# KiCad board simplyKeeb-S60c.kicad_pcb
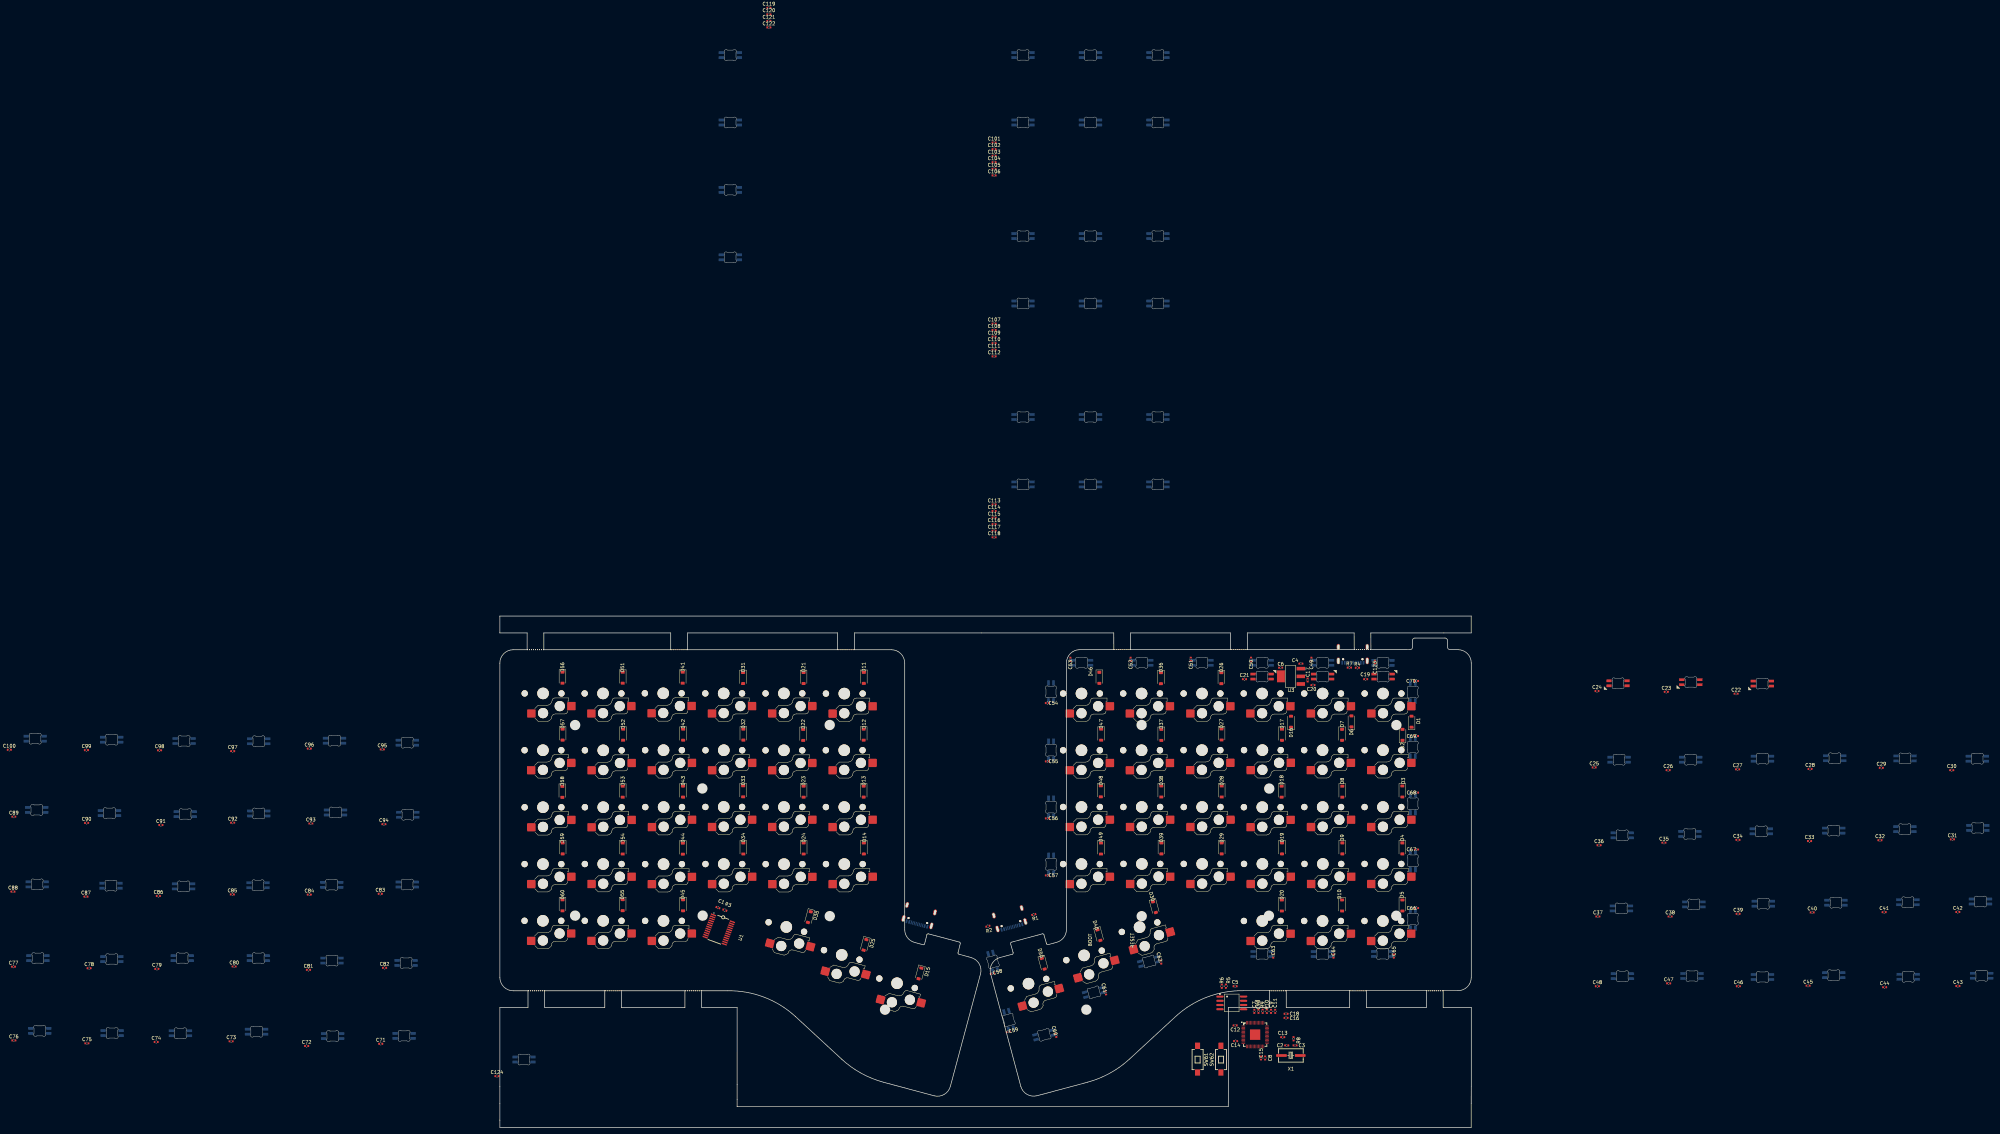
[diagram p0: board, top side]
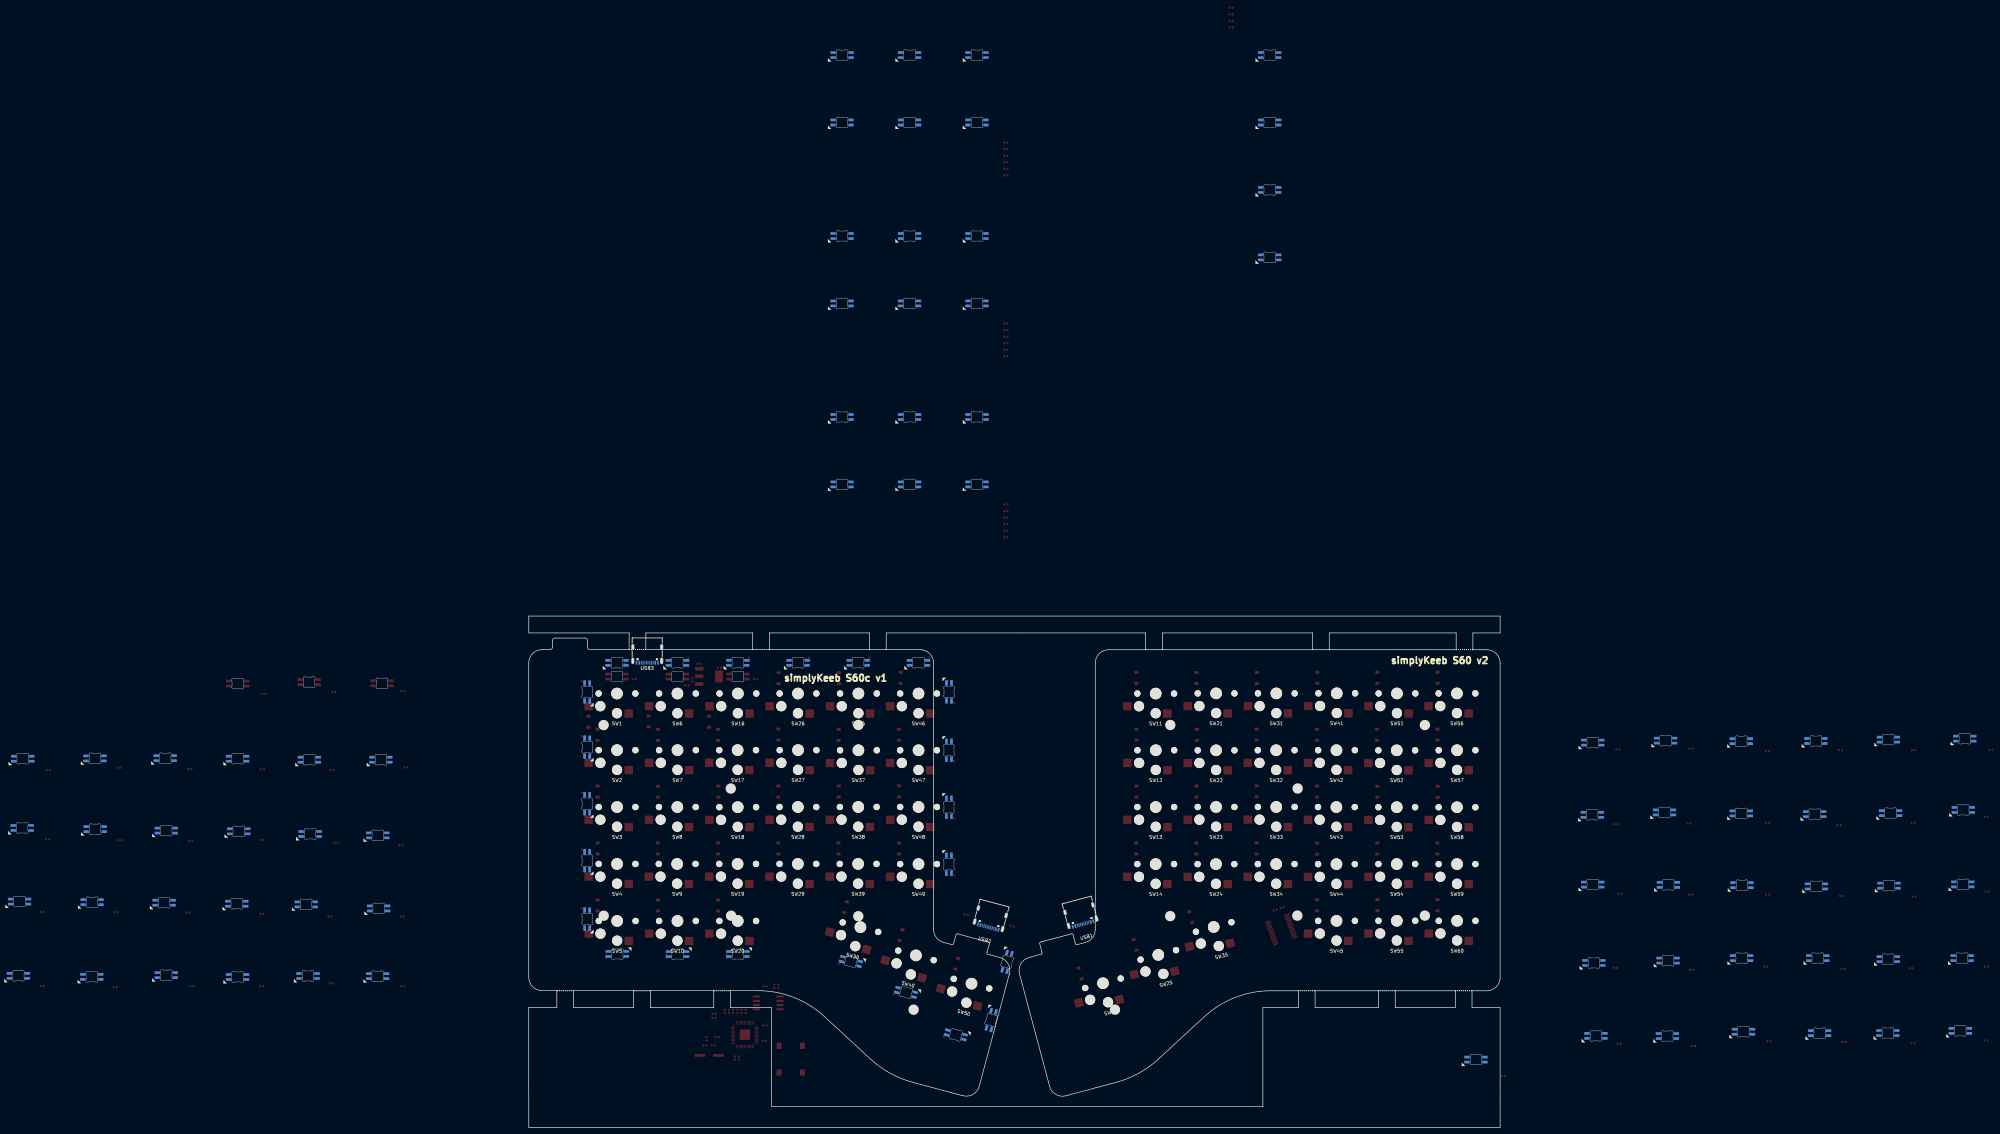
[diagram p1: board, bottom side, seen from below]

Outline 586.5 x 322.85 mm; copper layers: Top, Bottom. Coordinates in mm from the lower left corner of the outline.
Outline path: circle c163.47,120.53 r1.5 ; circle c163.47,63.43 r1.5 ; circle c201.57,101.53 r1.5 ; circle c201.67,63.43 r1.5 ; circle c239.72,120.55 r1.5 ; circle c239.75,63.28 r1.5 ; circle c256.3,35.25 r1.5 ; circle c316.6,35.25 r1.5 ; circle c333.15,120.55 r1.5 ; circle c333.17,63.25 r1.5 ; circle c371.27,63.4 r1.5 ; circle c371.37,101.5 r1.5 ; circle c409.42,63.4 r1.5 ; circle c409.45,120.53 r1.5 ; 140.93,153.2 431.86,153.2 431.86,148.14 401.8,148.14 401.82,143.13 413.55,143.13 arc(414.08,143.35) 414.3,143.88 414.26,145.86 arc(414.48,146.39) 415.01,146.61 424.01,146.61 arc(424.54,146.39) 424.76,145.86 424.76,143.86 arc(425.01,143.34) 425.54,143.13 427.89,143.13 arc(430.72,141.96) 431.89,139.13 431.89,44.94 arc(430.71,42.11) 427.88,40.94 423.47,40.94 423.47,35.9 431.89,35.9 431.89,12.26 431.86,7.18 431.86,0 140.93,0 140.93,35.87 149.35,35.87 149.35,40.91 144.94,40.91 arc(142.1,42.08) 140.93,44.91 140.93,139.1 arc(142.1,141.93) 144.93,143.1 149.1,143.1 149.1,148.14 140.93,148.14 140.93,153.2 ; 154.1,148.14 192.1,148.14 192.1,143.1 154.1,143.1 154.1,148.14 ; 154.35,40.91 172.35,40.91 172.35,35.87 154.35,35.87 154.35,40.91 ; 177.35,40.91 196.35,40.91 196.35,35.87 177.35,35.87 177.35,40.91 ; 197.1,148.14 242.1,148.14 242.1,143.1 197.1,143.1 197.1,148.14 ; 201.35,40.91 209.09,40.91 arc(220.05,39.01) 229.52,33.15 243.31,20.42 arc(249.18,16.19) 255.89,13.49 270.97,9.45 arc(274,9.85) 275.86,12.28 284.89,45.97 arc(284.49,49) 282.06,50.87 278.41,51.88 arc(278.19,52.04) 278.15,52.31 278.83,55.05 arc(278.8,55.34) 278.57,55.51 269.28,57.97 arc(269,57.94) 268.83,57.71 268.15,54.98 arc(267.98,54.75) 267.69,54.72 265.15,55.4 arc(263.01,56.83) 262.19,59.26 262.19,139.1 arc(261.02,141.93) 258.19,143.1 247.1,143.1 247.1,148.14 324.8,148.14 324.82,143.13 314.63,143.13 arc(311.8,141.95) 310.63,139.13 310.62,64.48 310.63,59.98 310.63,59.29 arc(309.8,56.85) 307.66,55.42 305.12,54.74 arc(304.84,54.78) 304.67,55 303.88,57.72 arc(303.71,57.95) 303.43,57.98 294.15,55.47 arc(293.93,55.3) 293.89,55.02 294.67,52.31 arc(294.63,52.03) 294.41,51.86 290.75,50.89 arc(288.32,49.03) 287.92,45.99 296.95,12.3 arc(298.81,9.88) 301.85,9.48 316.92,13.51 arc(323.63,16.22) 329.5,20.44 343.3,33.17 arc(352.76,39.03) 363.73,40.94 371.47,40.94 371.47,35.9 359.12,35.9 359.12,12.82 359.12,8.32 359.1,6.18 211.99,6.18 211.99,12.8 212,35.87 201.35,35.87 201.35,40.91 ; 329.82,143.13 329.8,148.14 359.8,148.14 359.82,143.13 329.82,143.13 ; 364.82,143.13 364.8,148.14 396.8,148.14 396.82,143.13 364.82,143.13 ; 376.47,40.94 376.47,35.9 395.47,35.9 395.47,40.94 376.47,40.94 ; 400.47,40.94 400.47,35.9 418.47,35.9 418.47,40.94 400.47,40.94
Stack: Top 0.035mm / dielectric 1.51mm FR4 er 4.5 / Bottom 0.035mm

## Placement (name value [footprint] x y rotation side)
C1  100nF  [C_0402_1005Metric]  206.25 65.83 160 top
C2  30pF  [C_0402_1005Metric]  376.6 24.53 180 top
C3  30pF  [C_0402_1005Metric]  379.1 24.53 0 top
C4  10uF  [C_0402_1005Metric]  380.85 138.93 0 top
C5  100nF  [C_0402_1005Metric]  361.15 42.28 180 top
C6  10uF  [C_0402_1005Metric]  374.8 137.73 180 top
C7  100nF  [C_0402_1005Metric]  366.9 34.76 90 top
C8  100nF  [C_0402_1005Metric]  370.15 20.78 270 top
C9  1uF  [C_0402_1005Metric]  371.9 34.76 90 top
C10  100nF  [C_0402_1005Metric]  368.15 34.76 90 top
C11  1uF  [C_0402_1005Metric]  373.15 34.74 90 top
C12  100nF  [C_0402_1005Metric]  361.17 30.53 180 top
C13  100nF  [C_0402_1005Metric]  375.42 27.03 0 top
C14  100nF  [C_0402_1005Metric]  361.3 25.83 180 top
C15  100nF  [C_0402_1005Metric]  368.9 20.78 270 top
C16  100nF  [C_0402_1005Metric]  376.4 32.78 0 top
C17  10uF  [C_0402_1005Metric]  382.85 134.03 270 top
C18  100nF  [C_0402_1005Metric]  376.4 34.03 0 top
C19  C  [C_0402_1005Metric]  400.25 134.28 180 top
C20  C  [C_0402_1005Metric]  384.47 132.48 180 top
C21  C  [C_0402_1005Metric]  363.95 134.28 180 top
C22  C  [C_0402_1005Metric]  511.2 129.93 0 top
C23  C  [C_0402_1005Metric]  490.3 130.48 0 top
C24  C  [C_0402_1005Metric]  469.55 130.73 0 top
C25  C  [C_0402_1005Metric]  468.7 107.83 0 top
C26  C  [C_0402_1005Metric]  490.85 107.03 0 top
C27  C  [C_0402_1005Metric]  511.65 107.28 0 top
C28  C  [C_0402_1005Metric]  533.35 107.38 0 top
C29  C  [C_0402_1005Metric]  554.7 107.73 0 top
C30  C  [C_0402_1005Metric]  575.8 107.03 0 top
C31  C  [C_0402_1005Metric]  576 86.28 0 top
C32  C  [C_0402_1005Metric]  554.3 86.03 0 top
C33  C  [C_0402_1005Metric]  533.2 85.78 0 top
C34  C  [C_0402_1005Metric]  511.75 86.13 0 top
C35  C  [C_0402_1005Metric]  489.6 85.28 0 top
C36  C  [C_0402_1005Metric]  470.15 84.53 0 top
C37  C  [C_0402_1005Metric]  469.8 63.18 0 top
C38  C  [C_0402_1005Metric]  491.45 63.18 0 top
C39  C  [C_0402_1005Metric]  511.8 63.98 0 top
C40  C  [C_0402_1005Metric]  534 64.38 0 top
C41  C  [C_0402_1005Metric]  555.55 64.48 0 top
C42  C  [C_0402_1005Metric]  577.6 64.53 0 top
C43  C  [C_0402_1005Metric]  577.65 42.33 0 top
C44  C  [C_0402_1005Metric]  555.7 41.98 0 top
C45  C  [C_0402_1005Metric]  532.75 42.43 0 top
C46  C  [C_0402_1005Metric]  511.9 42.28 0 top
C47  C  [C_0402_1005Metric]  491 43.13 0 top
C48  C  [C_0402_1005Metric]  469.65 42.28 0 top
C49  C  [C_0402_1005Metric]  384 140.27 90 top
C50  C  [C_0402_1005Metric]  365.92 140.27 90 top
C51  C  [C_0402_1005Metric]  347.86 140.27 270 top
C52  C  [C_0402_1005Metric]  329.86 140.27 90 top
C53  C  [C_0402_1005Metric]  311.82 140.27 90 top
C54  C  [C_0402_1005Metric]  304.91 127.14 180 top
C55  C  [C_0402_1005Metric]  304.92 109.65 180 top
C56  C  [C_0402_1005Metric]  304.93 92.58 180 top
C57  C  [C_0402_1005Metric]  304.93 75.48 0 top
C58  C  [C_0402_1005Metric]  288.42 46.09 195 top
C59  C  [C_0402_1005Metric]  293.17 28.65 195 top
C60  C  [C_0402_1005Metric]  307.49 27.53 285 top
C61  C  [C_0402_1005Metric]  322.38 40.27 285 top
C62  C  [C_0402_1005Metric]  338.9 49.5 285 top
C63  C  [C_0402_1005Metric]  372.58 51.31 90 top
C64  C  [C_0402_1005Metric]  390.64 51.31 270 top
C65  C  [C_0402_1005Metric]  408.7 51.31 270 top
C66  C  [C_0402_1005Metric]  415.49 65.71 0 top
C67  C  [C_0402_1005Metric]  415.49 83.24 0 top
C68  C  [C_0402_1005Metric]  415.49 100.3 0 top
C69  C  [C_0402_1005Metric]  415.47 117.25 0 top
C70  C  [C_0402_1005Metric]  415.47 133.75 0 top
C71  C  [C_0402_1005Metric]  105.25 25.03 0 top
C72  C  [C_0402_1005Metric]  83.05 24.38 0 top
C73  C  [C_0402_1005Metric]  60.45 25.78 0 top
C74  C  [C_0402_1005Metric]  38 25.58 0 top
C75  C  [C_0402_1005Metric]  17.25 25.18 0 top
C76  C  [C_0402_1005Metric]  -4.65 26.03 0 top
C77  C  [C_0402_1005Metric]  -4.75 48.13 0 top
C78  C  [C_0402_1005Metric]  17.9 47.68 0 top
C79  C  [C_0402_1005Metric]  38.2 47.48 0 top
C80  C  [C_0402_1005Metric]  61.35 48.18 0 top
C81  C  [C_0402_1005Metric]  83.6 47.18 0 top
C82  C  [C_0402_1005Metric]  106.4 47.78 0 top
C83  C  [C_0402_1005Metric]  105.1 69.98 0 top
C84  C  [C_0402_1005Metric]  83.85 69.73 0 top
C85  C  [C_0402_1005Metric]  60.8 69.78 0 top
C86  C  [C_0402_1005Metric]  38.65 69.33 0 top
C87  C  [C_0402_1005Metric]  16.95 69.13 0 top
C88  C  [C_0402_1005Metric]  -4.9 70.63 0 top
C89  C  [C_0402_1005Metric]  -4.65 93.08 0 top
C90  C  [C_0402_1005Metric]  17.15 91.23 0 top
C91  C  [C_0402_1005Metric]  39.4 90.58 0 top
C92  C  [C_0402_1005Metric]  60.9 91.28 0 top
C93  C  [C_0402_1005Metric]  84.3 91.03 0 top
C94  C  [C_0402_1005Metric]  106.2 90.83 0 top
C95  C  [C_0402_1005Metric]  105.7 113.23 0 top
C96  C  [C_0402_1005Metric]  83.85 113.48 0 top
C97  C  [C_0402_1005Metric]  60.9 112.73 0 top
C98  C  [C_0402_1005Metric]  39 112.98 0 top
C99  C  [C_0402_1005Metric]  17.1 113.03 0 top
C100  C  [C_0402_1005Metric]  -6 113.13 0 top
C101  C  [C_0402_1005Metric]  288.96 295.08 0 top
C102  C  [C_0402_1005Metric]  288.96 293.11 0 top
C103  C  [C_0402_1005Metric]  288.96 291.14 0 top
C104  C  [C_0402_1005Metric]  288.96 289.17 0 top
C105  C  [C_0402_1005Metric]  288.96 287.2 0 top
C106  C  [C_0402_1005Metric]  288.96 285.23 0 top
C107  C  [C_0402_1005Metric]  288.96 240.86 0 top
C108  C  [C_0402_1005Metric]  288.96 238.89 0 top
C109  C  [C_0402_1005Metric]  288.96 236.92 0 top
C110  C  [C_0402_1005Metric]  288.96 234.95 0 top
C111  C  [C_0402_1005Metric]  288.96 232.98 0 top
C112  C  [C_0402_1005Metric]  288.96 231.01 0 top
C113  C  [C_0402_1005Metric]  288.96 186.64 0 top
C114  C  [C_0402_1005Metric]  288.96 184.67 0 top
C115  C  [C_0402_1005Metric]  288.96 182.7 0 top
C116  C  [C_0402_1005Metric]  288.96 180.73 0 top
C117  C  [C_0402_1005Metric]  288.96 178.76 0 top
C118  C  [C_0402_1005Metric]  288.96 176.79 0 top
C119  C  [C_0402_1005Metric]  221.49 335.48 0 top
C120  C  [C_0402_1005Metric]  221.49 333.51 0 top
C121  C  [C_0402_1005Metric]  221.49 331.54 0 top
C122  C  [C_0402_1005Metric]  221.49 329.57 0 top
C123  C  [C_0402_1005Metric]  403 139.41 270 top
C124  C  [C_0402_1005Metric]  140.05 15.35 0 top
D1  1N4148W  [D_SOD-123]  414 121.53 90 top
D2  1N4148W  [D_SOD-123]  411.29 117.62 90 top
D3  1N4148W  [D_SOD-123]  411.24 100.62 270 top
D4  1N4148W  [D_SOD-123]  411.24 83.57 270 top
D5  1N4148W  [D_SOD-123]  411.25 66.48 270 top
D6  1N4148W  [D_SOD-123]  396 121.63 90 top
D7  1N4148W  [D_SOD-123]  393.19 117.62 270 top
D8  1N4148W  [D_SOD-123]  393.24 100.57 270 top
D9  1N4148W  [D_SOD-123]  393.24 83.57 270 top
D10  1N4148W  [D_SOD-123]  393.19 66.48 270 top
D11  1N4148W  [D_SOD-123]  249.93 134.68 270 top
D12  1N4148W  [D_SOD-123]  249.9 117.66 270 top
D13  1N4148W  [D_SOD-123]  249.9 100.59 270 top
D14  1N4148W  [D_SOD-123]  249.94 83.57 270 top
D15  1N4148W  [D_SOD-123]  266.75 46.12 255 top
D16  1N4148W  [D_SOD-123]  377.9 121.53 90 top
D17  1N4148W  [D_SOD-123]  375.18 117.62 270 top
D18  1N4148W  [D_SOD-123]  375.09 100.58 270 top
D19  1N4148W  [D_SOD-123]  375.18 83.57 270 top
D20  1N4148W  [D_SOD-123]  375.14 66.48 270 top
D21  1N4148W  [D_SOD-123]  231.89 134.63 270 top
D22  1N4148W  [D_SOD-123]  231.79 117.58 270 top
D23  1N4148W  [D_SOD-123]  231.89 100.58 270 top
D24  1N4148W  [D_SOD-123]  231.92 83.54 270 top
D25  1N4148W  [D_SOD-123]  250.29 54.67 255 top
D26  1N4148W  [D_SOD-123]  357.04 134.58 270 top
D27  1N4148W  [D_SOD-123]  357.08 117.72 270 top
D28  1N4148W  [D_SOD-123]  357.13 100.62 270 top
D29  1N4148W  [D_SOD-123]  357.13 83.57 270 top
D30  1N4148W  [D_SOD-123]  336.99 65.97 285 top
D31  1N4148W  [D_SOD-123]  213.78 134.63 270 top
D32  1N4148W  [D_SOD-123]  213.86 117.67 270 top
D33  1N4148W  [D_SOD-123]  213.81 100.68 270 top
D34  1N4148W  [D_SOD-123]  213.86 83.57 270 top
D35  1N4148W  [D_SOD-123]  233.64 62.99 255 top
D36  1N4148W  [D_SOD-123]  338.94 134.58 270 top
D37  1N4148W  [D_SOD-123]  339.04 117.58 270 top
D38  1N4148W  [D_SOD-123]  339.04 100.63 270 top
D39  1N4148W  [D_SOD-123]  339.08 83.57 270 top
D40  1N4148W  [D_SOD-123]  320.35 57.59 285 top
D41  1N4148W  [D_SOD-123]  195.7 134.71 270 top
D42  1N4148W  [D_SOD-123]  195.82 117.63 270 top
D43  1N4148W  [D_SOD-123]  195.79 100.59 270 top
D44  1N4148W  [D_SOD-123]  195.74 83.49 270 top
D45  1N4148W  [D_SOD-123]  195.8 66.54 270 top
D46  1N4148W  [D_SOD-123]  320.49 134.68 270 top
D47  1N4148W  [D_SOD-123]  321.04 117.63 270 top
D48  1N4148W  [D_SOD-123]  320.94 100.68 270 top
D49  1N4148W  [D_SOD-123]  320.99 83.53 270 top
D50  1N4148W  [D_SOD-123]  303.68 49.02 285 top
D51  1N4148W  [D_SOD-123]  177.73 134.72 270 top
D52  1N4148W  [D_SOD-123]  177.83 117.64 270 top
D53  1N4148W  [D_SOD-123]  177.73 100.55 270 top
D54  1N4148W  [D_SOD-123]  177.73 83.55 270 top
D55  1N4148W  [D_SOD-123]  177.7 66.58 270 top
D56  1N4148W  [D_SOD-123]  159.68 134.72 270 top
D57  1N4148W  [D_SOD-123]  159.71 117.67 270 top
D58  1N4148W  [D_SOD-123]  159.64 100.53 270 top
D59  1N4148W  [D_SOD-123]  159.73 83.58 270 top
D60  1N4148W  [D_SOD-123]  159.69 66.53 270 top
D61  SK6812MINI-E  [Choc_SK6812MINI-E]  405.47 129.98 0 bottom
D62  SK6812MINI-E  [Choc_SK6812MINI-E]  387.35 129.98 0 bottom
D63  SK6812MINI-E  [Choc_SK6812MINI-E]  369.24 129.98 0 bottom
D64  SK6812MINI-E  [Choc_SK6812MINI-E]  519.05 138.03 180 bottom
D65  SK6812MINI-E  [Choc_SK6812MINI-E]  497.65 138.48 180 bottom
D66  SK6812MINI-E  [Choc_SK6812MINI-E]  475.85 138.13 180 bottom
D67  SK6812MINI-E  [Choc_SK6812MINI-E]  476.15 115.23 0 top
D68  SK6812MINI-E  [Choc_SK6812MINI-E]  497.6 115.23 0 top
D69  SK6812MINI-E  [Choc_SK6812MINI-E]  519.1 115.53 0 top
D70  SK6812MINI-E  [Choc_SK6812MINI-E]  540.75 115.68 0 top
D71  SK6812MINI-E  [Choc_SK6812MINI-E]  561.8 115.63 0 top
D72  SK6812MINI-E  [Choc_SK6812MINI-E]  583.45 115.53 0 top
D73  SK6812MINI-E  [Choc_SK6812MINI-E]  583.6 94.78 0 top
D74  SK6812MINI-E  [Choc_SK6812MINI-E]  561.75 94.43 0 top
D75  SK6812MINI-E  [Choc_SK6812MINI-E]  540.45 93.98 0 top
D76  SK6812MINI-E  [Choc_SK6812MINI-E]  518.75 93.78 0 top
D77  SK6812MINI-E  [Choc_SK6812MINI-E]  497.35 92.98 0 top
D78  SK6812MINI-E  [Choc_SK6812MINI-E]  477.1 92.58 0 top
D79  SK6812MINI-E  [Choc_SK6812MINI-E]  476.85 70.68 0 top
D80  SK6812MINI-E  [Choc_SK6812MINI-E]  498.55 71.88 0 top
D81  SK6812MINI-E  [Choc_SK6812MINI-E]  519.35 72.08 0 top
D82  SK6812MINI-E  [Choc_SK6812MINI-E]  541.1 72.38 0 top
D83  SK6812MINI-E  [Choc_SK6812MINI-E]  562.65 72.53 0 top
D84  SK6812MINI-E  [Choc_SK6812MINI-E]  584.4 72.73 0 top
D85  SK6812MINI-E  [Choc_SK6812MINI-E]  584.75 50.48 0 top
D86  SK6812MINI-E  [Choc_SK6812MINI-E]  562.75 50.18 0 top
D87  SK6812MINI-E  [Choc_SK6812MINI-E]  540.45 50.68 0 top
D88  SK6812MINI-E  [Choc_SK6812MINI-E]  519.1 50.13 0 top
D89  SK6812MINI-E  [Choc_SK6812MINI-E]  498 50.43 0 top
D90  SK6812MINI-E  [Choc_SK6812MINI-E]  477.15 50.38 0 top
D91  SK6812MINI-E  [Choc_SK6812MINI-E]  387.35 144.26 0 top
D92  SK6812MINI-E  [Choc_SK6812MINI-E]  369.26 144.26 0 top
D93  SK6812MINI-E  [Choc_SK6812MINI-E]  351.2 144.26 0 top
D94  SK6812MINI-E  [Choc_SK6812MINI-E]  333.2 144.26 0 top
D95  SK6812MINI-E  [Choc_SK6812MINI-E]  315.15 144.26 0 top
D96  SK6812MINI-E  [Choc_SK6812MINI-E]  300.92 130.48 90 top
D97  SK6812MINI-E  [Choc_SK6812MINI-E]  300.93 112.99 90 top
D98  SK6812MINI-E  [Choc_SK6812MINI-E]  300.94 95.92 90 top
D99  SK6812MINI-E  [Choc_SK6812MINI-E]  300.94 78.82 90 top
D100  SK6812MINI-E  [Choc_SK6812MINI-E]  283.7 48.28 105 top
D101  SK6812MINI-E  [Choc_SK6812MINI-E]  288.46 30.85 105 top
D102  SK6812MINI-E  [Choc_SK6812MINI-E]  305.29 22.82 195 top
D103  SK6812MINI-E  [Choc_SK6812MINI-E]  320.19 35.53 195 top
D104  SK6812MINI-E  [Choc_SK6812MINI-E]  336.7 44.78 195 top
D105  SK6812MINI-E  [Choc_SK6812MINI-E]  369.24 46.85 180 top
D106  SK6812MINI-E  [Choc_SK6812MINI-E]  387.31 46.84 180 top
D107  SK6812MINI-E  [Choc_SK6812MINI-E]  405.36 46.87 180 top
D108  SK6812MINI-E  [Choc_SK6812MINI-E]  419.48 62.37 270 top
D109  SK6812MINI-E  [Choc_SK6812MINI-E]  419.47 79.91 270 top
D110  SK6812MINI-E  [Choc_SK6812MINI-E]  419.48 96.96 270 top
D111  SK6812MINI-E  [Choc_SK6812MINI-E]  419.46 113.91 270 top
D112  SK6812MINI-E  [Choc_SK6812MINI-E]  419.46 130.41 270 top
D113  SK6812MINI-E  [Choc_SK6812MINI-E]  112.25 32.48 0 top
D114  SK6812MINI-E  [Choc_SK6812MINI-E]  90.85 32.43 0 top
D115  SK6812MINI-E  [Choc_SK6812MINI-E]  68.05 33.73 0 top
D116  SK6812MINI-E  [Choc_SK6812MINI-E]  45.25 33.28 0 top